# Altium PCB Gateway_PCB.PcbDoc
Units mm, origin at the board's own origin, x right, y up, seen from the top; angles counter-clockwise.
Board outline 74.04 x 92.2 mm, 2 copper layers (Top Layer, Bottom Layer); 24 components, 25 nets, 102 pads, 0 vias.
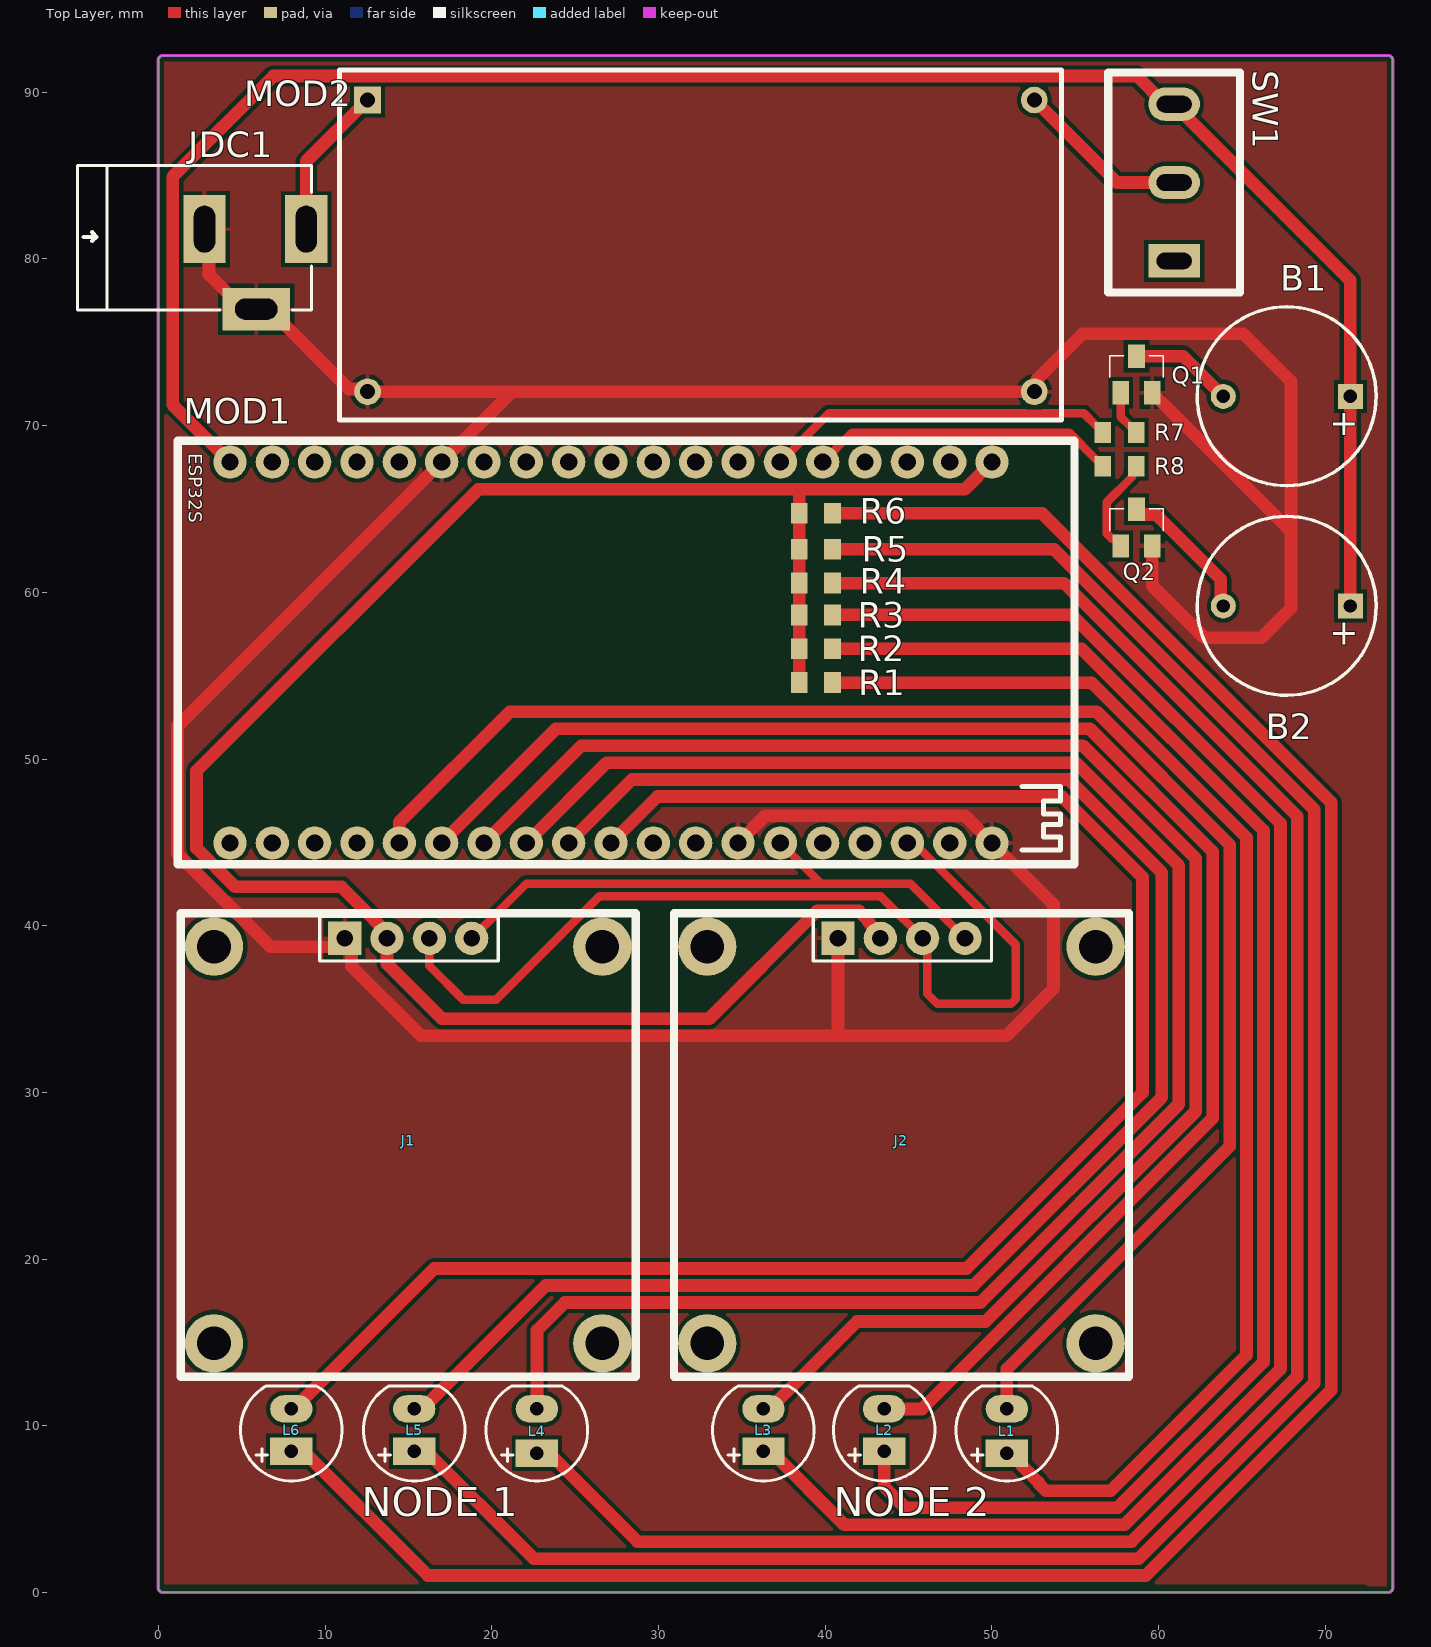
[diagram p0: Top Layer view]
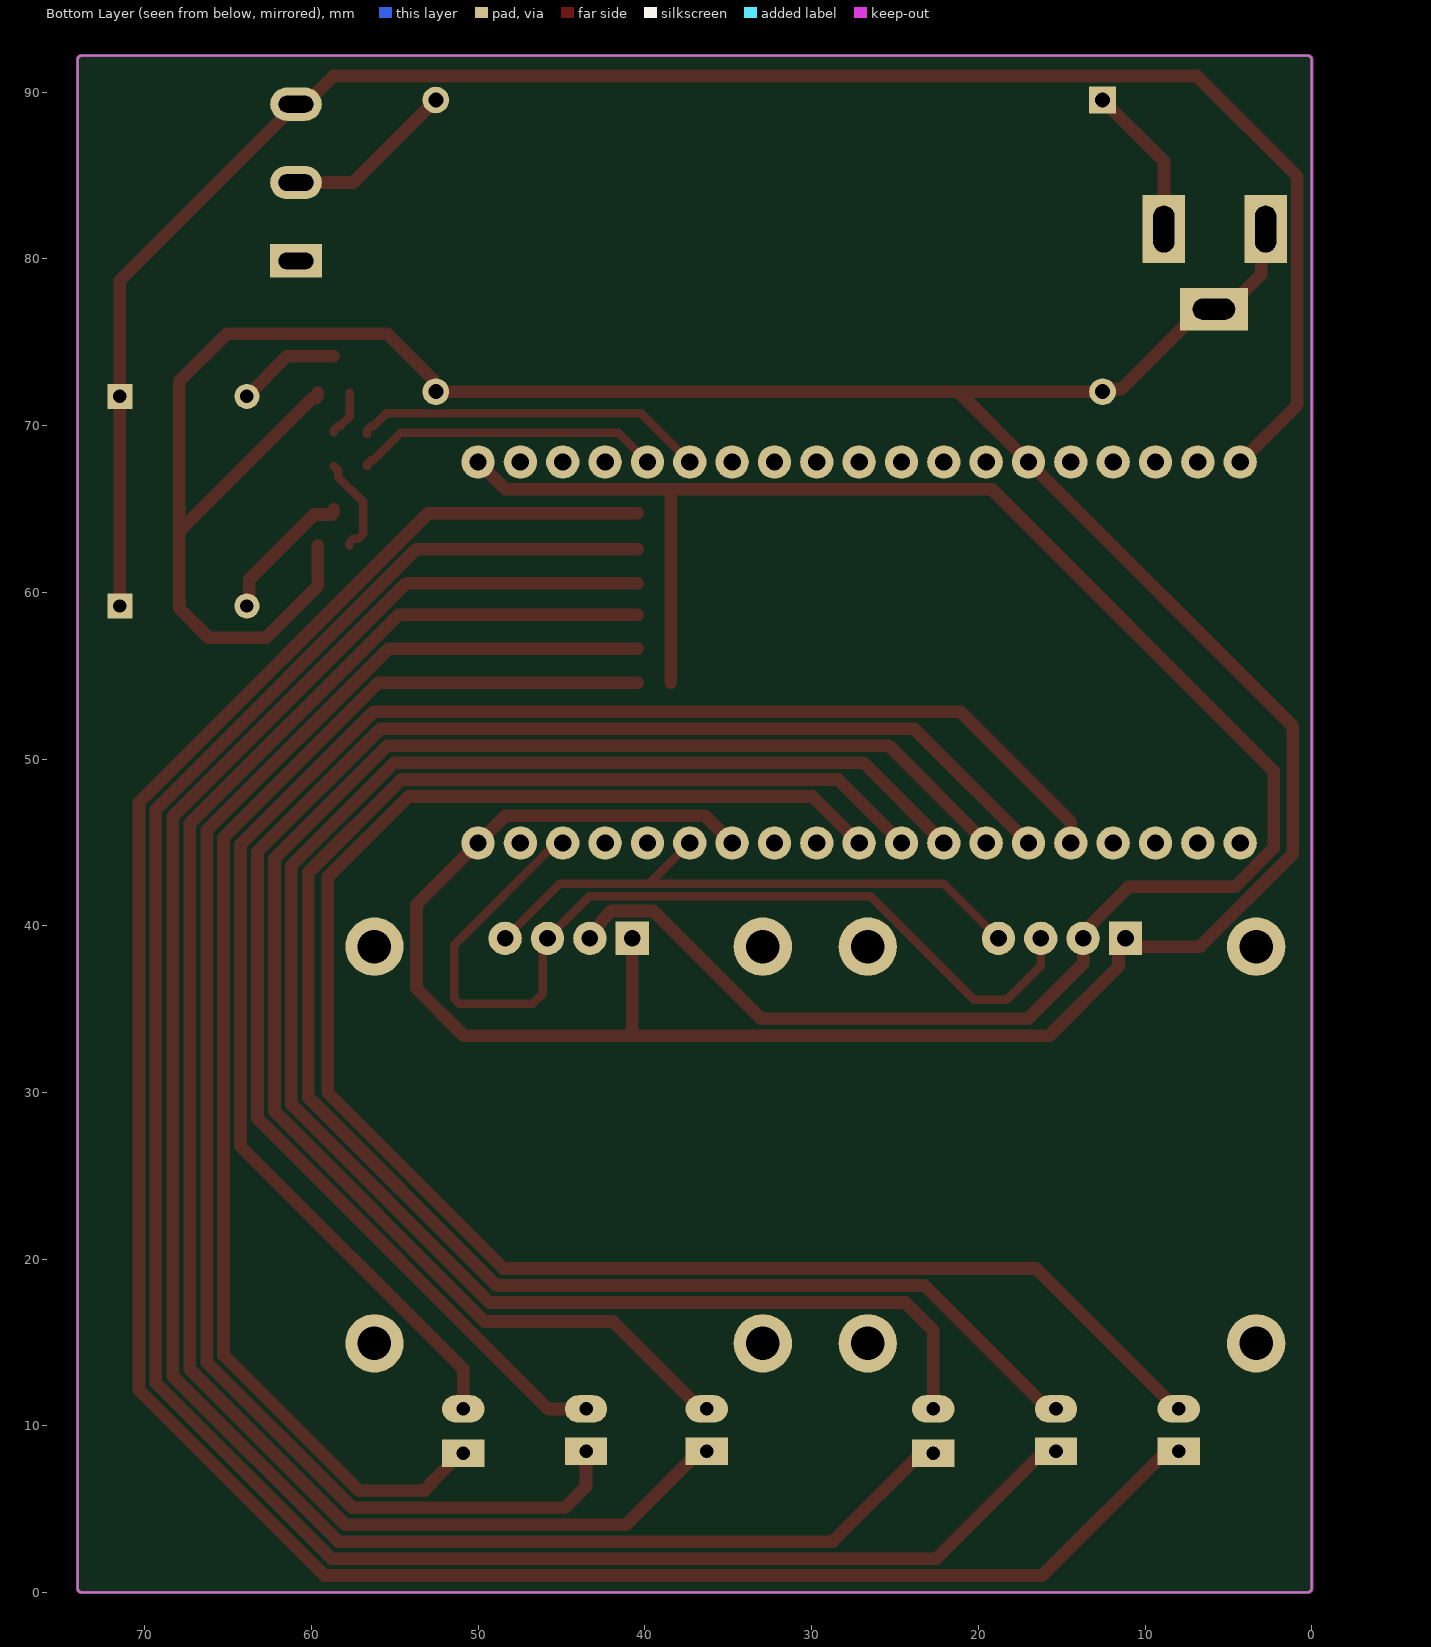
[diagram p1: Bottom Layer view, seen from below]

## Layer stack, top to bottom
Top Solder: solder mask 0.0102, Solder Resist, Dk 3.5
Top Layer: signal copper 0.0356
Dielectric 1: dielectric 0.32, FR-4, Dk 4.8
Bottom Layer: signal copper 0.0356
Bottom Solder: solder mask 0.0102, Solder Resist, Dk 3.5

## Board outline
0,0.254 0,91.948 cw(c0.254,91.948) 0.254,92.202 73.787,92.202 cw(c73.787,91.948) 74.041,91.948 74.041,0.254 cw(c73.787,0.254) 73.787,0 0.254,0 cw(c0.254,0.254)

## Design rules (kind name [scope] priority, off if disabled: settings)
Clearance [All] p1: gap=0.254 ignorepadtopadclearanceinfootprint=FALSE
Height [All] p1: minheight=0 maxheight=38.1 prefheight=12.7
PolygonConnect [All] p1: connectstyle=Relief reliefconductorwidth=0.254 reliefentries=4 polygonreliefangle="90 Angle" airgapwidth=0.254
RoutingVias [All] p1: holewidth=0.711 width=1.27 viastyle="Through Hole" minholewidth=0.711 minwidth=1.27 maxholewidth=0.711 maxwidth=1.27
SolderMaskExpansion [All] p1: expansion=0.102 istentingtop=FALSE
Width [All] p1: maxlimit=0.762 minlimit=0.254 preferedwidth=0.508
29 further rules are at their usual default settings.

## Components (designator, comment, footprint, x,y, rotation, side; value= is the part's Value field where it differs from the comment)
B1 "Buzzer" "Coi Chip" 71.501,71.755 r180 top
B2 "Buzzer" "Coi Chip" 71.501,59.182 r180 top
J1 "OLED 2.8'' 126x64" "OLED 0.96'' 128x64" 11.176,39.243 r0 top
J2 "OLED 2.8'' 126x64" "OLED 0.96'' 128x64" 40.767,39.243 r0 top
JDC1 "Jac DC" DC-IN 2.769,81.788 r0 top
L1 "LED 5mm" LED-5MM-Green 50.902,8.471 r90 top
L2 "LED 5mm" LED-5MM-Yellow 43.536,8.471 r90 top
L3 "LED 5mm" LED-5MM-RED 36.297,8.471 r90 top
L4 "LED 5mm" LED-5MM-Green 22.708,8.471 r90 top
L5 "LED 5mm" LED-5MM-Yellow 15.342,8.471 r90 top
L6 "LED 5mm" LED-5MM-RED 7.976,8.471 r90 top
MOD1 "Module ESP32S 38 Pin" "ESP32S MODULE 38 PIN" 27.153,56.388 r270 top
MOD2 "DC-DC Buck Converter LM2596 ADJ" "Module DC-DC Buck Converter LM2596" 12.548,89.535 r0 top
Q1 "AO3404A" "SOT 23-3" 58.674,73.068 r270 top
Q2 "AO3404A" "SOT 23-3" 58.674,63.881 r270 top
R1 "220R" R_0805_H0.43 39.445,54.583 r0 top value="R1/4W - 1K"
R2 "220R" R_0805_H0.43 39.445,56.615 r0 top value="R1/4W - 1K"
R3 "220R" R_0805_H0.43 39.445,58.647 r0 top value="R1/4W - 1K"
R4 "220R" R_0805_H0.43 39.445,60.552 r0 top value="R1/4W - 1K"
R5 "220R" R_0805_H0.43 39.445,62.584 r0 top value="R1/4W - 1K"
R6 "220R" R_0805_H0.43 39.445,64.743 r0 top value="R1/4W - 1K"
R7 "220R" R_0805_H0.43 57.658,69.596 r0 top value="R1/4W - 1K"
R8 "220R" R_0805_H0.43 57.658,67.564 r0 top value="R1/4W - 1K"
SW1 "SW_Toggle_MST-103" "TOGGLE SWITCH MTS-103" 60.935,79.881 r90 top value=SlideSwitch

## Footprints (in the part's own frame and the unit in brackets; to place one, negate y for a bottom-side part, rotate by r counter-clockwise, add the part's x,y. Pads: shape width x height; smd on the part's side, far side on the other; paste and mask are expansions set on the pad)
"Coi Chip" [mm]
  rect 1.5x1.5 hole 0.8: 1(0,0)
  round 1.5 hole 0.8: 2(7.62,0)
  silkscreen extent -1.55,-5.38 9.18,5.36, body extent -5.64,-6.01 9.82,5.99, height 4.5
DC-IN [mm] "Jac DC input"
  rect 2.54x4.064 hole 1.27 slot 2.8 at 90 deg: 1(6.1,0) 2(0,0)
  rect 4.064x2.54 hole 1.27 slot 2.54 at 0 deg: 3(3.1,-4.8)
  silkscreen extent -7.62,-4.85 6.43,3.81, body extent -7.6,-5.03 6.22,4.47, height 11.02
"ESP32S MODULE 38 PIN" [mm]
  round 2 hole 1.04: 1(-11.43,22.86) 2(-11.43,20.32) 3(-11.43,17.78) 4(-11.43,15.24) 5(-11.43,12.7) 6(-11.43,10.16) 7(-11.43,7.62) 8(-11.43,5.08) 9(-11.43,2.54) 10(-11.43,0) 11(-11.43,-2.54) 12(-11.43,-5.08) 13(-11.43,-7.62) 14(-11.43,-10.16) 15(-11.43,-12.7) 16(-11.43,-15.24) 17(-11.43,-17.78) 18(-11.43,-20.32) 19(-11.43,-22.86) 20(11.43,22.86) 21(11.43,20.32) 22(11.43,17.78) 23(11.43,15.24) 24(11.43,12.7) 25(11.43,10.16) 26(11.43,7.62) 27(11.43,5.08) 28(11.43,2.54) 29(11.43,0) 30(11.43,-2.54) 31(11.43,-5.08) 32(11.43,-7.62) 33(11.43,-10.16) 34(11.43,-12.7) 35(11.43,-15.24) 36(11.43,-17.78) 37(11.43,-20.32) 38(11.43,-22.86)
  silkscreen extent -12.7,-26 12.7,27.8, body extent -12.75,-11.65 12.68,24.21, height 8.5
LED-5MM-Green [mil] "LED 2 PIN, 5 ly , Only colour,pin to pin 100mil"
  rect 65x100 hole 32: 1(-5,0)
  oval 65x100 hole 32: 2(100,0)
  silkscreen extent -70,-120 154,120, body extent -69,-120 145,117, height 339
LED-5MM-RED [mil] "LED 2 PIN, 5 ly , Only colour,pin to pin 100mil"
  rect 65x100 hole 32: 1(0,0)
  oval 65x100 hole 32: 2(100,0)
  silkscreen extent -70,-120 154,120, body extent -65,-119 149,118, height 339
LED-5MM-Yellow [mil] "LED 2 PIN, 5 ly , Only colour,pin to pin 100mil"
  rect 65x100 hole 32: 1(0,0)
  oval 65x100 hole 32: 2(100,0)
  silkscreen extent -70,-120 154,120, body extent -67,-122 147,115, height 339
"Module DC-DC Buck Converter LM2596" [mm] "43x21x14mm"
  rect 1.6x1.6 hole 0.9: 1(0,0)
  round 1.6 hole 0.9: 2(0,-17.5) 3(40,0) 4(40,-17.5)
  silkscreen extent -1.68,-19.19 41.64,1.81, body extent -1.51,-19.19 41.49,1.81, height 15.82
"OLED 0.96'' 128x64" [mm]
  rect 2x2 hole 1: 1(0,0)
  round 2 hole 1: 2(2.54,0) 3(5.08,0) 4(7.62,0)
  round 3.5 hole 2.01: 5(-7.84,-24.3) 6(15.46,-24.3) 7(-7.84,-0.5) 8(15.46,-0.5)
  silkscreen extent -9.84,-26.3 17.46,1.5, body extent -9.94,-26.41 17.57,2.02, height 14.09
R_0805_H0.43 [mm]
  rect 1x1.25 smd: 1(-1,0) 2(1,0)
  body extent -1,-0.63 1,0.63, height 0.43
"SOT 23-3" [mm] "Case: SOT23"
  rect 1.4x1 smd paste+0 mask+0.076: 1(1.1,-0.95) 2(1.1,0.95) 3(-1.1,0)
  silkscreen extent -1.12,-1.6 0.18,1.6, body extent -1.5,-1.5 1.5,1.5, height 1.3
"TOGGLE SWITCH MTS-103" [mm]
  rect 2x3.1 hole 1 slot 2.1 at 90 deg: 1(0,0)
  oval 2x3.1 hole 1 slot 2.1 at 90 deg: 2(4.7,0) 3(9.4,0)
  silkscreen extent -1.9,-3.95 11.3,3.95, body extent -1.9,-6 11.49,6, height 30.13

## Part data
B1 B2: "9.5x12mm, 7.62 pitch"
J1 J2: Alternate Part Number-1=NA, Case/Package=TH-CON, Manufacturer=Molex, Manufacturer Part Number=22-10-2061, Supplier Part Number-1=NA, Supplier-1="SP ROAD"
JDC1: library part DCIN, "Jac DC input"
L1 L4: library part "LED 5mm Xanh La", "Cắm", Chung_Loai=Cắm, Don_Vi=Con, Ma_Hang=MH008969, Ten_Linh_Kien="LED 5MM Phủ Xanh (1000c)"
L2 L5: library part "LED 5mm Vang", "Cắm", Chung_Loai=Cắm, Don_Vi=Con, Ma_Hang=MH008968, Ten_Linh_Kien="Led 5MM Phủ Vàng (1000c)"
L3 L6: library part "LED 5mm Do", "Cắm", Chung_Loai=Cắm, Don_Vi=Con, Ma_Hang=MH008967, Ten_Linh_Kien="Led 5MM Phủ Đỏ (1000c)"
MOD1: library part MOD_ESP32S_38P
MOD2: library part MOD-DC-DC_Buck_LM2596_3A, "Input: 3-30V, Output:1.5-30V. I_out = 3A (max). Dimensions: 45x20x14mm"
Q1 Q2: library part MOSFET-N_30V-5.8A-SOT23, "N-Channel 30V 5.8A (Ta) 1.4W (Ta) Surface Mount SOT-23-3L", Alternate Part Number-1=PMV50ENEAR, Case/Package=SOT23, Manufacturer="International Rectifier", Manufacturer Part Number=AO3404A, Supplier Part Number-1=AO3404A, Supplier-1=ARROW
R1 R2 R3 R4 R5 R6 R7 R8: library part Res, "Resistor"
SW1: "SWITCH TOGGLE", ASSEMBLY=ASSEMBLY, DESC=DESCRIPTION, MANF=Apem, MANF_PART#=MHSS1105, PARAM=PARAM, PRICE=0.5$

## Nets (pads, with @x,y where several pads share a name; then routed paths per layer and width w, separated by ;. In a path a pad name is that pad's centre, name@x,y a point inside that pad or via, vN(x,y) a via of type N, cw(c..) or ccw(c..) an arc to the next point about the centre after c; other vN are vias at no path point)
+3V3: J1.2 J2.2 MOD1.1 R1.1 R2.1 R3.1 R4.1 R5.1 R6.1 | length 121.5
  Top Layer w0.762: R1.1 R2.1 R3.1 R4.1 R5.1 38.445,66.131 38.497,66.183 ; J2.2 42.402,40.506 42.03,40.878 39.504,40.878 33.043,34.417 17.018,34.417 13.716,37.719 13.716,39.578 12.94,40.354 12.94,40.377 10.988,42.329 4.61,42.329 2.286,44.652 2.286,49.276 19.193,66.183 38.445,66.183 48.378,66.183 MOD1.1
+5V: B1.1 B2.1 MOD1.19 SW1.3 | length 116.4
  Top Layer w0.762: MOD1.19 0.864,71.247 0.864,84.938 6.896,90.97 58.696,90.97 60.385,89.281 SW1.3 61.15,89.281 61.721,88.709 61.721,88.494 71.501,78.715 B1.1 B2.1
BUZZ1: MOD1.6 R7.1 | length 21.2
  Top Layer w0.508: MOD1.6 40.234,70.739 51.994,70.739 52.006,70.727 53.089,70.727 53.101,70.739 55.515,70.739 56.287,69.967 56.412,69.967 56.658,69.721 R7.1 R7.1@56.658,69.471
BUZZ2: MOD1.5 R8.1 | length 18.4
  Top Layer w0.508: MOD1.5 41.615,69.58 54.642,69.58 56.287,67.935 56.412,67.935 56.658,67.689 R8.1
"DC COM": MOD2.3 SW1.2 | length 10.4
  Top Layer w0.762: MOD2.3 57.502,84.581 SW1.2
GND: J1.1 J2.1 JDC1.2 JDC1.3 MOD1.14 MOD1.20 MOD1.26 MOD2.2 MOD2.4 Q1.2 Q2.2 | length 239.9
  Top Layer w0.762: JDC1.2 3.035,81.521 3.035,79.059 5.107,76.988 JDC1.3 6.631,76.988 11.423,72.195 12.387,72.195 MOD2.2 21.21,72.035 ; MOD1.26 36.408,46.593 48.378,46.593 MOD1.20 53.701,41.27 53.701,36.231 50.871,33.401 40.767,33.401 ; J2.1 40.767,33.401 ; Q2.2 59.624,60.391 62.738,57.277 66.167,57.277 67.945,59.055 67.945,63.881 ; Q1.2 59.624,71.768 59.743,71.649 59.943,71.649 67.711,63.881 67.945,63.881 ; 21.21,72.035 MOD2.4 52.708,72.195 52.708,72.774 55.437,75.503 65.086,75.503 67.945,72.644 67.945,63.881 ; 21.21,72.035 MOD1.14 1.143,51.968 1.143,44.309 6.709,38.743 10.676,38.743 J1.1 11.587,38.832 11.587,37.562 15.748,33.401 40.767,33.401
LG1: L1.2 MOD1.34 | length 96.5
  Top Layer w0.762: MOD1.34 14.453,46.203 21.082,52.832 56.293,52.832 64.262,44.863 64.262,26.765 50.902,13.404 L1.2
LG2: L4.2 MOD1.31 | length 106.6
  Top Layer w0.762: MOD1.31 26.899,49.784 55.031,49.784 61.214,43.601 61.214,29.29 49.323,17.399 24.384,17.399 22.708,15.723 L4.2@22.708,11.303
LR1: L3.2 MOD1.32 | length 96.4
  Top Layer w0.762: MOD1.32 25.375,50.8 55.452,50.8 62.23,44.022 62.23,28.869 49.617,16.256 41.91,16.256 36.665,11.011 L3.2
LR2: L6.2 MOD1.29 | length 106.8
  Top Layer w0.762: L6.2@7.976,11.303 8.42,11.303 16.548,19.431 48.482,19.431 59.035,29.984 59.035,42.906 54.189,47.752 29.947,47.752 MOD1.29
LY1: L2.2 MOD1.33 | length 95.1
  Top Layer w0.762: MOD1.33 23.851,51.816 55.873,51.816 63.246,44.443 63.246,28.448 45.809,11.011 L2.2
LY2: L5.2 MOD1.30 | length 105.5
  Top Layer w0.762: L5.2@15.342,11.303 15.369,11.276 16.102,11.276 23.241,18.415 48.902,18.415 60.198,29.711 60.198,43.18 54.61,48.768 28.423,48.768 MOD1.30
NetB1_2: B1.2 Q1.3 | length 6.2
  Top Layer w0.762: Q1.3 61.468,74.168 B1.2
NetB2_2: B2.2 Q2.3 | length 8.6
  Top Layer w0.762: Q2.3 58.674,64.781 58.793,64.662 59.841,64.662 63.74,60.763 63.74,59.323 B2.2
NetJDC1_1: JDC1.1 MOD2.1 | length 9.3
  Top Layer w0.762: JDC1.1 8.869,85.856 MOD2.1
NetL1_1: L1.1 R1.2 | length 78.6
  Top Layer w0.762: R1.2 55.979,54.583 65.278,45.284 65.278,14.249 57.125,6.096 53.253,6.096 52.807,6.542 52.807,6.604 51.791,7.62 51.791,7.899 51.346,8.344 L1.1
NetL2_1: L2.1 R2.2 | length 91.3
  Top Layer w0.762: R2.2 55.384,56.615 66.294,45.705 66.294,13.829 57.545,5.08 44.806,5.08 43.536,6.35 L2.1
NetL3_1: L3.1 R3.2 | length 101.5
  Top Layer w0.762: L3.1 36.741,8.471 41.148,4.064 57.966,4.064 67.31,13.408 67.31,46.126 54.789,58.647 R3.2
NetL4_1: L4.1 R4.2 | length 119.3
  Top Layer w0.762: L4.1@22.708,8.636 23.152,8.636 28.74,3.048 58.387,3.048 68.326,12.987 68.326,46.547 54.321,60.552 R4.2
NetL5_1: L5.1 R5.2 | length 130.9
  Top Layer w0.762: L5.1@15.342,8.763 15.786,8.763 22.517,2.032 58.808,2.032 69.342,12.566 69.342,46.968 53.726,62.584 R5.2
NetL6_1: L6.1 R6.2 | length 142.5
  Top Layer w0.762: L6.1@7.976,8.763 8.42,8.763 16.167,1.016 59.229,1.016 70.358,12.145 70.358,47.388 53.003,64.743 R6.2
NetQ1_1: Q1.1 R7.2 | length 2.8
  Top Layer w0.508: Q1.1 57.724,70.53 58.287,69.967 58.412,69.967 58.658,69.721 R7.2
NetQ2_1: Q2.1 R8.2 | length 6
  Top Layer w0.508: Q2.1 57.724,62.981 57.478,63.227 57.194,63.227 56.896,63.525 56.896,65.405 58.412,66.921 58.412,67.318 R8.2
OLED_SCL: J1.3 J2.3 MOD1.22 | length 57.1
  Top Layer w0.508: J1.3 16.256,37.592 18.288,35.56 20.26,35.56 26.467,41.767 43.323,41.767 46.132,38.958 46.132,35.91 46.736,35.306 51.137,35.306 51.435,35.604 51.435,38.859 45.336,44.958 MOD1.22
OLED_SDA: J1.4 J2.4 MOD1.25 | length 35.7
  Top Layer w0.508: J1.4 22.082,42.529 39.742,42.529 ; MOD1.25 39.742,42.529 ; J2.4 45.101,42.529 39.742,42.529
pads on no net: J1.5 J1.6 J1.7 J1.8 J2.5 J2.6 J2.7 J2.8 MOD1.2 MOD1.3 MOD1.4 MOD1.7 MOD1.8 MOD1.9 MOD1.10 MOD1.11 MOD1.12 MOD1.13 MOD1.15 MOD1.16 MOD1.17 MOD1.18 MOD1.21 MOD1.23 MOD1.24 MOD1.27 MOD1.28 MOD1.35 MOD1.36 MOD1.37 MOD1.38 SW1.1

## Polygon pours and split planes (outlines as drawn)
GND on Top Layer "NONET_L-01_P-001" (solid, remove dead copper, pour order 0): -0.254,92.075 0,92.329 74.041,92.329 74.041,0.127 73.406,-0.508 72.39,0.508 0,0.508 0,90.932 -1.651,92.583

## Keep-outs
Keep-Out Layer:
  the board outline again, w0.2

## Silkscreen, mask and mechanical layers (free items; w line width, h text height)
Top Overlay:
  text "NODE 1" at 12.192,3.973 h3
  text "NODE 2" at 40.513,3.973 h3

## Text inside footprints (layer, text, board x,y; h text height)
B1: Top Overlay "+" at 72.001,70.755 h1.52 r180
B2: Top Overlay "+" at 72.001,58.182 h1.52 r180
MOD1: Top Overlay "ESP32S" at 1.807,68.334 h0.8 r270